# KiCad board WS2812B LED Ring7.kicad_pcb (continued)
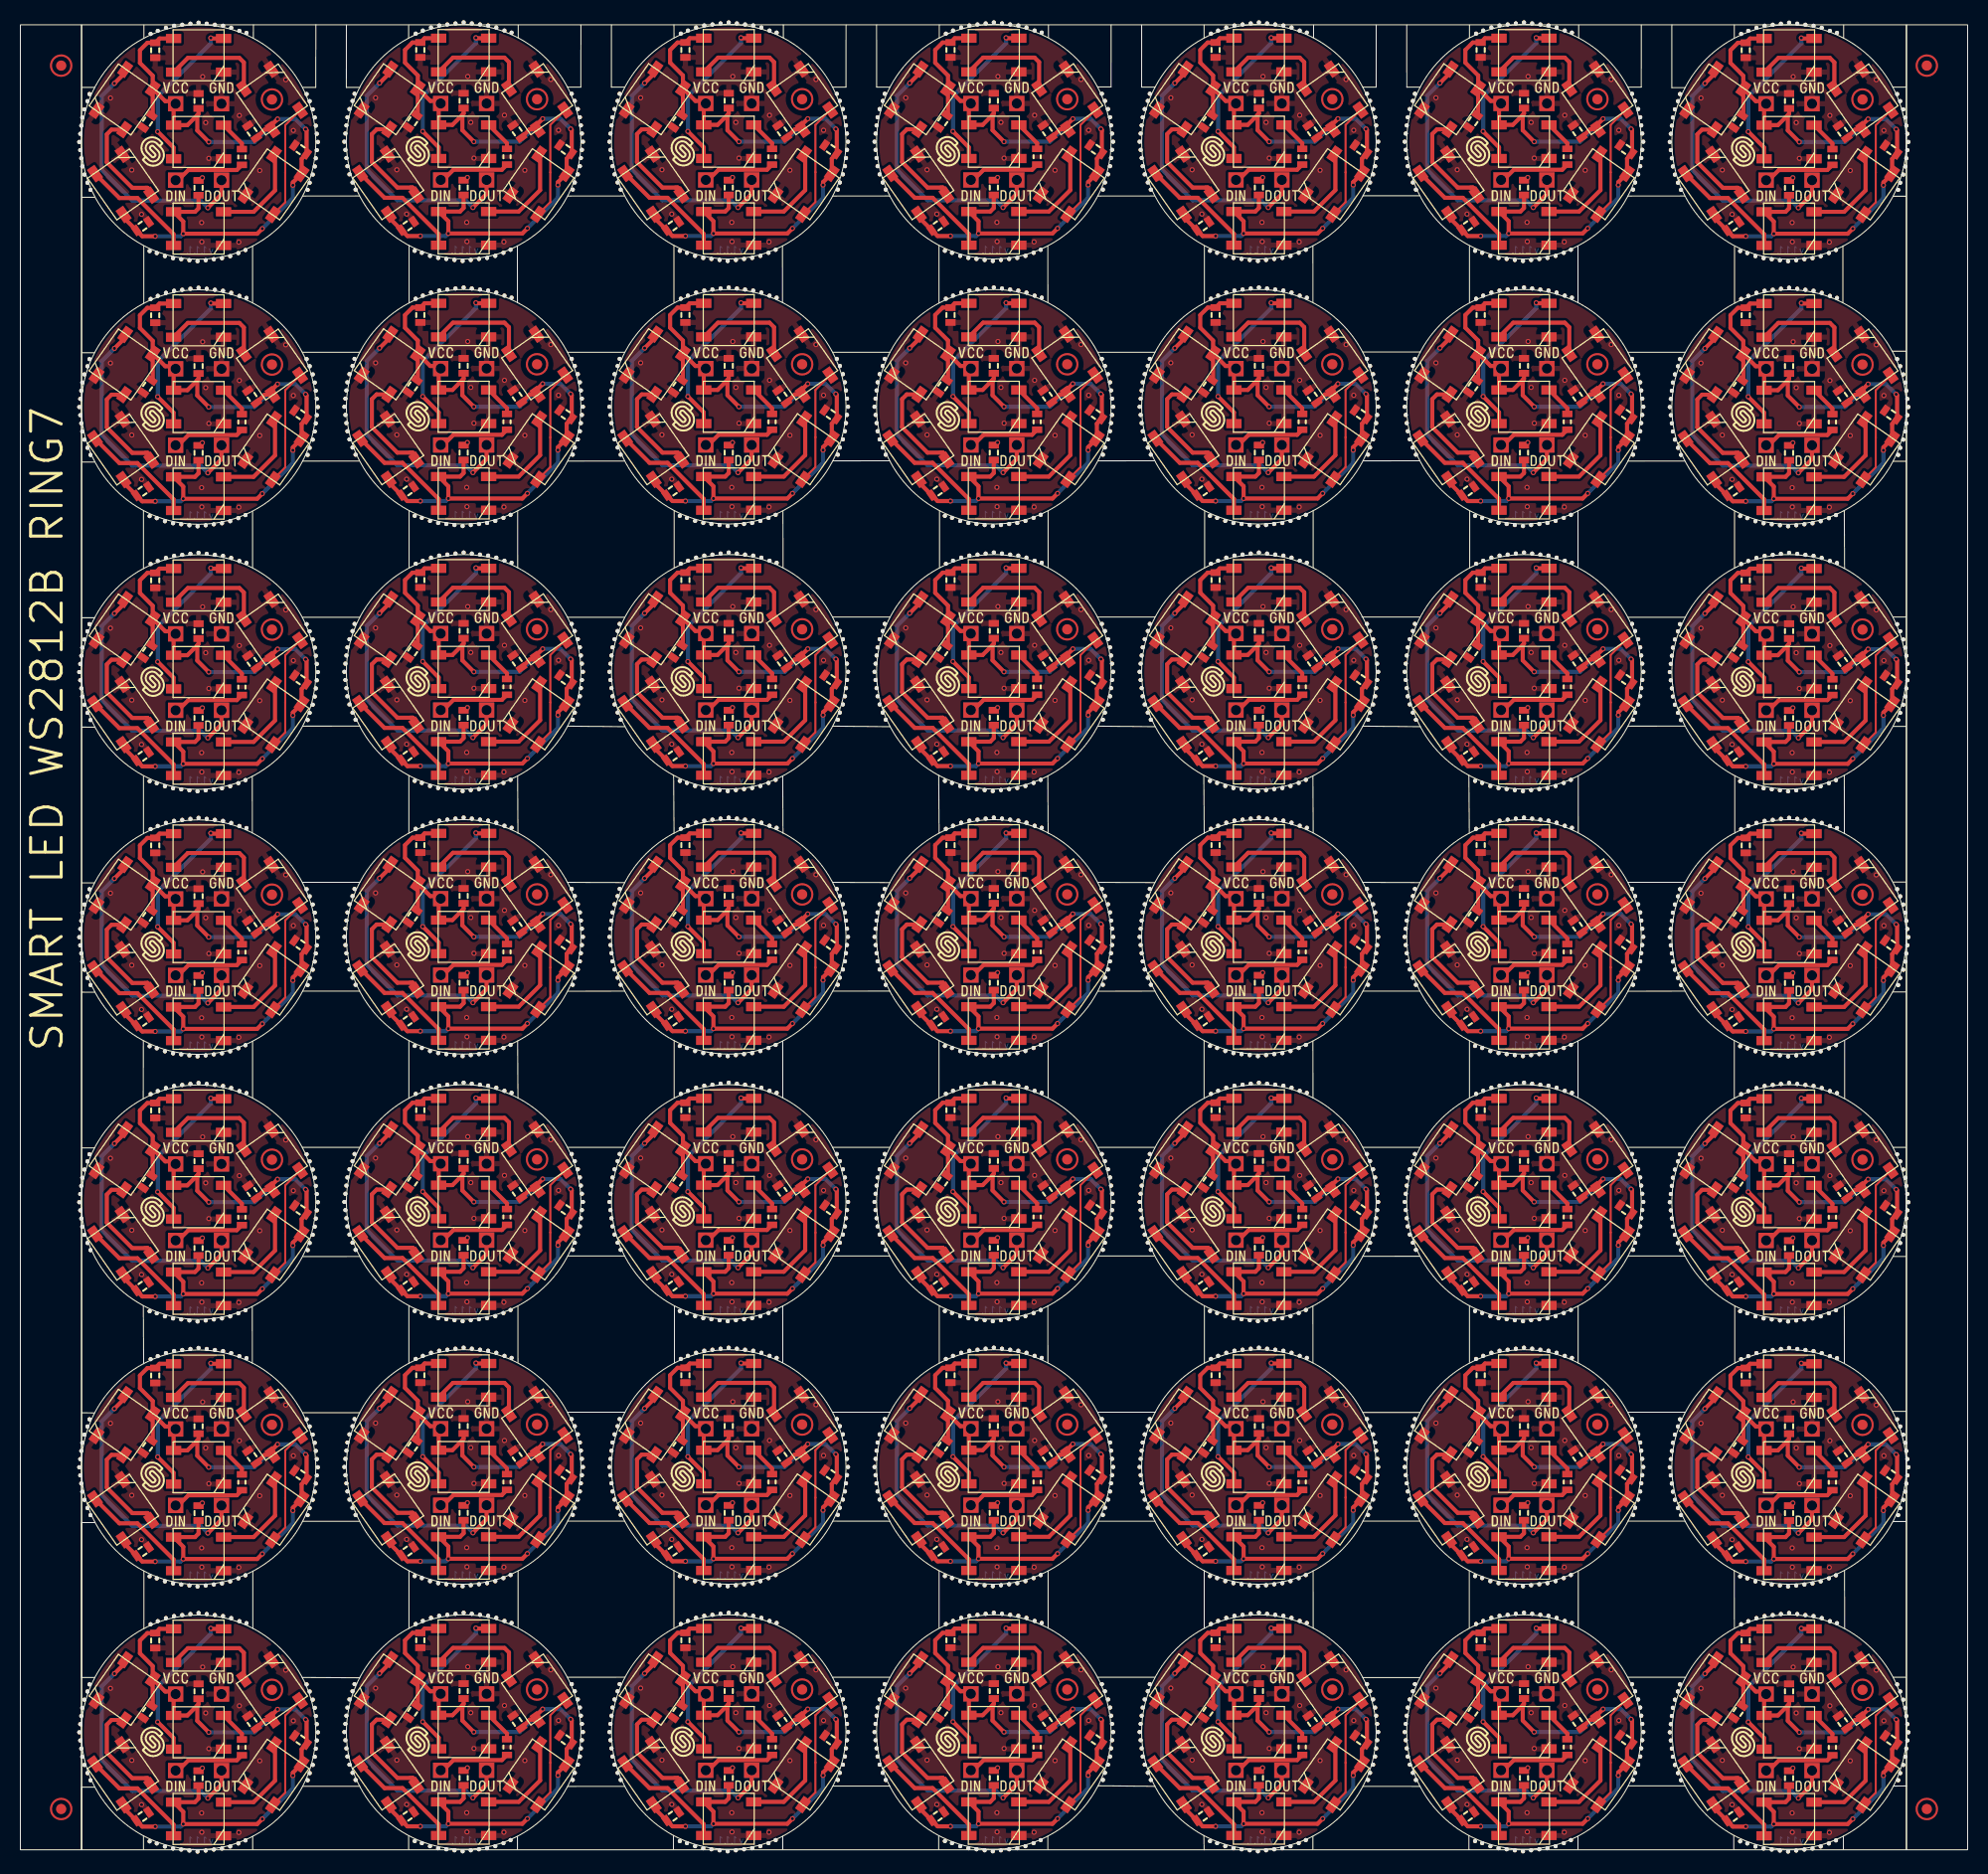
[diagram p0: board, top side]
## Routing (per net, layer and track width the routed paths; a pad name or vN(x,y) marks a point on that pad's centre or on a via; arc(x,y) is an arc through that point) (continued)
VCC: length 3402.1
  Top w0.4: v1(179.72,81.03) 179.22,80.53 v1(171.97,80.53) 171.97,81.73 LED5#17.1 173.12,82.69 173.47,83.03 C5#12.1 ; 95.35,144.19 95.47,144.31 C1#2.1 ; 95.35,144.19 94.38,143.21 LED1#44.1 93.03,145.36 93.22,145.56 92.21,145.56 LED7#15.1 ; 95.35,144.19 95.35,142.69 v1(96.47,141.56) ; v1(117.22,28.31) 115.96,28.31 C6#41.1 114.13,30.14 LED6#21.1 ; 121.35,118.19 121.35,116.69 v1(122.47,115.56) ; 121.35,118.19 120.38,117.21 LED1#22.1 119.03,119.36 119.22,119.56 118.21,119.56 LED7#41.1 ; 121.35,118.19 121.47,118.31 C1#7.1 ; v1(77.22,39.81) 76.73,39.31 LED3#24.1 75.96,38.77 C3#18.1 ; LED7#35.1 40.21,119.56 41.22,119.56 41.03,119.36 LED1#16.1 42.38,117.21 43.35,118.19 ; LED7#35.1 38.98,122.05 37.72,123.31 37.72,124.56 38.45,125.29 C2#27.1 39.64,125.71 LED2#5.1 ; LED7#35.1 38.98,118.25 C7#4.1 ; v1(155.22,143.81) 154.73,143.31 LED3#22.1 153.96,142.77 C3#23.1 ; LED7#42.1 118.21,145.56 119.22,145.56 119.03,145.36 LED1#25.1 120.38,143.21 121.35,144.19 ; LED7#42.1 116.98,148.05 115.72,149.31 115.72,150.56 116.46,151.29 C2#36.1 117.65,151.71 LED2#26.1 ; LED7#42.1 116.98,144.25 C7#31.1 ; v1(179.72,133.03) 179.22,132.53 v1(171.97,132.53) 171.97,133.73 LED5#5.1 173.12,134.69 173.47,135.03 C5#36.1 ; 69.35,170.19 69.35,168.69 v1(70.47,167.56) ; 69.35,170.19 68.38,169.21 LED1#47.1 67.03,171.36 67.22,171.56 66.21,171.56 LED7#8.1 ; 69.35,170.19 69.47,170.31 C1#49.1 ; v1(49.72,107.06) 49.22,106.56 v1(41.97,106.56) 41.97,107.76 LED5#40.1 43.12,108.71 43.47,109.06 C5#6.1 ; 95.35,40.19 95.47,40.31 C1#39.1 ; 95.35,40.19 95.35,38.69 v1(96.47,37.56) ; 95.35,40.19 94.38,39.21 LED1#6.1 93.03,41.36 93.22,41.56 92.21,41.56 LED7#21.1 ; LED2#48.1 91.65,99.71 C2#12.1 90.46,99.29 89.72,98.56 89.72,97.31 90.98,96.05 LED7#18.1 ; LED7#19.1 66.21,67.56 67.22,67.56 67.03,67.36 LED1#49.1 68.38,65.21 69.35,66.19 ; LED7#19.1 64.98,70.05 63.72,71.31 63.72,72.56 64.46,73.29 C2#7.1 65.65,73.71 LED2#46.1 ; LED7#19.1 64.98,66.25 C7#24.1 ; C7#6.1 168.98,40.22 LED7#39.1 ; 95.35,118.19 95.35,116.69 v1(96.47,115.56) ; 95.35,118.19 94.38,117.21 LED1#4.1 93.03,119.36 93.22,119.56 92.21,119.56 LED7#5.1 ; 95.35,118.19 95.47,118.31 C1#44.1 ; C1#41.1 17.47,14.28 17.35,14.16 ; C3#34.1 23.96,168.75 LED3#42.1 24.73,169.29 v1(25.22,169.78) ; v1(174.47,115.53) 173.35,116.66 173.35,118.16 ; LED2#17.1 65.65,99.71 C2#44.1 64.46,99.29 63.72,98.56 63.72,97.31 64.98,96.05 LED7#6.1 ; LED7#10.1 144.21,15.56 145.22,15.56 145.03,15.36 LED1#37.1 146.38,13.21 147.35,14.19 ; LED7#10.1 142.98,14.25 C7#19.1 ; LED7#10.1 142.98,18.05 141.72,19.31 141.72,20.56 142.46,21.29 C2#20.1 143.65,21.71 LED2#37.1 ; v1(130.72,7.31) 130.72,7.6 LED4#16.1 131.58,9.9 C4#27.1 132.07,12.71 v1(131.97,12.81) ; v1(143.22,106.31) 141.96,106.31 C6#28.1 140.13,108.14 LED6#5.1 ; 173.35,118.16 173.47,118.28 C1#13.1 ; 173.35,118.16 172.38,117.19 LED1#48.1 171.03,119.33 171.22,119.53 170.21,119.53 LED7#11.1 ; 173.35,40.16 173.35,38.66 v1(174.47,37.53) ; 173.35,40.16 173.47,40.28 C1#42.1 ; 173.35,40.16 172.38,39.19 LED1#10.1 171.03,41.33 171.22,41.53 170.21,41.53 LED7#39.1 ; v1(181.22,91.78) 180.73,91.29 LED3#11.1 179.96,90.75 C3#48.1 ; C5#35.1 69.47,109.06 69.12,108.71 LED5#22.1 67.97,107.76 v1(67.97,106.56) 75.22,106.56 v1(75.72,107.06) ; LED7#44.1 14.21,171.53 15.22,171.53 15.03,171.33 LED1#24.1 16.38,169.19 17.35,170.16 ; LED7#44.1 12.98,170.22 C7#30.1 ; LED7#44.1 12.98,174.03 11.72,175.28 11.72,176.53 12.45,177.26 C2#9.1 13.64,177.69 LED2#2.1 ; LED2#44.1 13.64,125.69 C2#46.1 12.45,125.26 11.72,124.53 11.72,123.28 12.98,122.03 LED7#3.1 ; LED7#24.1 116.98,44.05 115.72,45.31 115.72,46.56 116.46,47.29 C2#22.1 117.65,47.71 LED2#13.1 ; LED7#24.1 116.98,40.25 C7#20.1 ; LED7#24.1 118.21,41.56 119.22,41.56 119.03,41.36 LED1#2.1 120.38,39.21 121.35,40.19 ; 17.35,118.16 17.47,118.28 C1#5.1 ; 17.35,118.16 16.38,117.19 LED1#27.1 15.03,119.33 15.22,119.53 14.21,119.53 LED7#3.1 ; 17.35,118.16 17.35,116.66 v1(18.47,115.53) ; v1(13.22,132.28) 11.96,132.28 C6#19.1 10.13,134.11 LED6#44.1 ; C3#40.1 49.96,38.77 LED3#15.1 50.73,39.31 v1(51.22,39.81) ; v1(148.47,141.56) 147.35,142.69 147.35,144.19 ; 173.35,66.16 173.47,66.28 C1#30.1 ; 173.35,66.16 172.38,65.19 LED1#17.1 171.03,67.33 171.22,67.53 170.21,67.53 LED7#7.1 ; 173.35,66.16 173.35,64.66 v1(174.47,63.53) ; C1#26.1 69.47,92.31 69.35,92.19 ; v1(39.22,28.31) 37.96,28.31 C6#26.1 36.13,30.14 LED6#2.1 ; v1(117.22,80.31) 115.96,80.31 C6#7.1 114.13,82.14 LED6#16.1 ; C7#34.1 90.98,92.25 LED7#18.1 ; LED6#19.1 140.13,160.14 C6#15.1 141.96,158.31 v1(143.22,158.31) ; C7#32.1 64.98,118.25 LED7#30.1 ; LED7#46.1 144.21,41.56 145.22,41.56 145.03,41.36 LED1#46.1 146.38,39.21 147.35,40.19 ; LED7#46.1 142.98,40.25 C7#18.1 ; LED7#46.1 142.98,44.05 141.72,45.31 141.72,46.56 142.46,47.29 C2#33.1 143.65,47.71 LED2#40.1 ; 69.35,92.19 69.35,90.69 v1(70.47,89.56) ; 69.35,92.19 68.38,91.21 LED1#7.1 67.03,93.36 67.22,93.56 66.21,93.56 LED7#6.1 ; LED2#15.1 39.64,73.71 C2#17.1 38.45,73.29 37.72,72.56 37.72,71.31 38.98,70.05 LED7.1 ; v1(143.22,54.31) 141.96,54.31 C6#35.1 140.13,56.14 LED6#24.1 ; C7#10.1 64.98,170.25 LED7#8.1 ; LED2#14.1 91.65,151.71 C2#29.1 90.46,151.29 89.72,150.56 89.72,149.31 90.98,148.05 LED7#15.1 ; LED6#15.1 114.13,4.14 C6#3.1 115.96,2.31 v1(117.22,2.31) ; LED7#7.1 168.98,66.22 C7#12.1 ; LED7#7.1 168.98,70.03 167.72,71.28 167.72,72.53 168.46,73.26 C2#45.1 169.65,73.69 LED2#16.1 ; C1#36.1 17.47,66.28 17.35,66.16 ; v1(18.47,63.53) 17.35,64.66 17.35,66.16 ; LED7#48.1 66.21,15.56 67.22,15.56 67.03,15.36 LED1.1 68.38,13.21 69.35,14.19 ; LED7#48.1 64.98,18.05 63.72,19.31 63.72,20.56 64.46,21.29 C2#2.1 65.65,21.71 LED2#23.1 ; LED7#48.1 64.98,14.25 C7#41.1 ; v1(156.72,111.31) 156.72,111.6 LED4#20.1 157.58,113.9 C4#11.1 158.07,116.71 v1(157.97,116.81) ; LED2#49.1 91.65,21.71 C2#25.1 90.46,21.29 89.72,20.56 89.72,19.31 90.98,18.05 LED7#17.1 ; v1(75.72,3.06) 75.22,2.56 v1(67.97,2.56) 67.97,3.76 LED5#11.1 69.12,4.71 69.47,5.06 C5#3.1 ; v1(105.97,12.81) 106.07,12.71 C4#33.1 105.58,9.9 LED4#36.1 104.72,7.6 v1(104.72,7.31) ; v1(44.47,37.56) 43.35,38.69 43.35,40.19 ; v1(39.22,132.31) 37.96,132.31 C6#49.1 36.13,134.14 LED6#36.1 ; 43.35,144.19 43.47,144.31 C1#32.1 ; 43.35,144.19 43.35,142.69 v1(44.47,141.56) ; 43.35,144.19 42.38,143.21 LED1#34.1 41.03,145.36 41.22,145.56 40.21,145.56 LED7#37.1 ; C7#11.1 12.98,92.22 LED7#20.1 ; C3#21.1 101.96,12.77 LED3#46.1 102.73,13.31 v1(103.22,13.81) ; C1#3.1 43.47,66.31 43.35,66.19 ; v1(153.72,55.06) 153.22,54.56 v1(145.97,54.56) 145.97,55.76 LED5#4.1 147.12,56.71 147.47,57.06 C5#20.1 ; v1(27.97,168.78) 28.07,168.69 C4#41.1 27.58,165.88 LED4#48.1 26.72,163.57 v1(26.72,163.28) ; C3#2.1 127.96,90.77 LED3#44.1 128.73,91.31 v1(129.22,91.81) ; C7#48.1 168.98,144.22 LED7#14.1 ; LED6#29.1 166.13,82.11 C6#40.1 167.96,80.28 v1(169.22,80.28) ; 147.35,40.19 147.35,38.69 v1(148.47,37.56) ; 147.35,40.19 147.47,40.31 C1#43.1 ; v1(51.22,13.81) 50.73,13.31 LED3#30.1 49.96,12.77 C3#8.1 ; C5#9.1 95.47,31.06 95.12,30.71 LED5#28.1 93.97,29.76 v1(93.97,28.56) 101.22,28.56 v1(101.72,29.06) ; v1(13.22,2.28) 11.96,2.28 C6#11.1 10.13,4.11 LED6#43.1 ; LED7#8.1 64.98,174.05 63.72,175.31 63.72,176.56 64.46,177.29 C2#5.1 65.65,177.71 LED2#9.1 ; LED2#19.1 143.65,177.71 C2#43.1 142.46,177.29 141.72,176.56 141.72,175.31 142.98,174.05 LED7#49.1 ; LED2#31.1 143.65,73.71 C2#37.1 142.46,73.29 141.72,72.56 141.72,71.31 142.98,70.05 LED7#32.1 ; LED7#22.1 14.21,145.53 15.22,145.53 15.03,145.33 LED1#20.1 16.38,143.19 17.35,144.16 ; LED7#22.1 12.98,148.03 11.72,149.28 11.72,150.53 12.45,151.26 C2#16.1 13.64,151.69 LED2#41.1 ; LED7#22.1 12.98,144.22 C7#28.1 ; LED7#15.1 90.98,144.25 C7#44.1 ; LED6#42.1 140.13,30.14 C6#22.1 141.96,28.31 v1(143.22,28.31) ; LED2#36.1 117.65,21.71 C2#47.1 116.46,21.29 115.72,20.56 115.72,19.31 116.98,18.05 LED7#23.1 ; C7#22.1 38.98,92.25 LED7#16.1 ; C3#9.1 49.96,90.77 LED3#8.1 50.73,91.31 v1(51.22,91.81) ; LED7#45.1 38.98,18.05 37.72,19.31 37.72,20.56 38.45,21.29 C2#48.1 39.64,21.71 LED2.1 ; LED7#45.1 38.98,14.25 C7#5.1 ; LED7#45.1 40.21,15.56 41.22,15.56 41.03,15.36 LED1#40.1 42.38,13.21 43.35,14.19 ; 69.35,40.19 69.47,40.31 C1#40.1 ; 69.35,40.19 68.38,39.21 LED1#26.1 67.03,41.36 67.22,41.56 66.21,41.56 LED7#29.1 ; 69.35,40.19 69.35,38.69 v1(70.47,37.56) ; v1(122.47,167.56) 121.35,168.69 121.35,170.19 ; v1(127.72,3.06) 127.22,2.56 v1(119.97,2.56) 119.97,3.76 LED5#46.1 121.12,4.71 121.47,5.06 C5#34.1 ; 121.35,170.19 121.47,170.31 C1#14.1 ; 121.35,170.19 120.38,169.21 LED1#23.1 119.03,171.36 119.22,171.56 118.21,171.56 LED7#33.1 ; v1(129.22,13.81) 128.73,13.31 LED3#26.1 127.96,12.77 C3#19.1 ; 95.35,66.19 95.35,64.69 v1(96.47,63.56) ; 95.35,66.19 95.47,66.31 C1#47.1 ; 95.35,66.19 94.38,65.21 LED1#15.1 93.03,67.36 93.22,67.56 92.21,67.56 LED7#43.1 ; C3#26.1 101.96,168.77 LED3#28.1 102.73,169.31 v1(103.22,169.81) ; v1(77.22,65.81) 76.73,65.31 LED3#6.1 75.96,64.77 C3#30.1 ; LED7#3.1 12.98,118.22 C7#36.1 ; LED2#42.1 39.64,99.71 C2#13.1 38.45,99.29 37.72,98.56 37.72,97.31 38.98,96.05 LED7#16.1 ; v1(78.72,85.31) 78.72,85.6 LED4#41.1 79.58,87.9 C4#24.1 80.07,90.71 v1(79.97,90.81) ; 121.35,66.19 121.47,66.31 C1#6.1 ; 121.35,66.19 121.35,64.69 v1(122.47,63.56) ; 121.35,66.19 120.38,65.21 LED1#19.1 119.03,67.36 119.22,67.56 118.21,67.56 LED7#28.1 ; C3#24.1 127.96,168.77 LED3#48.1 128.73,169.31 v1(129.22,169.81) ; 147.35,170.19 147.35,168.69 v1(148.47,167.56) ; 147.35,170.19 146.38,169.21 LED1#3.1 145.03,171.36 145.22,171.56 144.21,171.56 LED7#49.1 ; 147.35,170.19 147.47,170.31 C1#28.1 ; LED6#6.1 88.13,30.14 C6#12.1 89.96,28.31 v1(91.22,28.31) ; C1#11.1 147.47,144.31 147.35,144.19 ; v1(129.22,117.81) 128.73,117.31 LED3#14.1 127.96,116.77 C3#39.1 ; LED7#28.1 116.98,66.25 C7#26.1 ; LED7#28.1 116.98,70.05 115.72,71.31 115.72,72.56 116.46,73.29 C2#14.1 117.65,73.71 LED2#35.1 ; C5#11.1 69.47,83.06 69.12,82.71 LED5#3.1 67.97,81.76 v1(67.97,80.56) 75.22,80.56 v1(75.72,81.06) ; v1(70.47,11.56) 69.35,12.69 69.35,14.19 ; C5#14.1 173.47,5.03 173.12,4.69 171.03,4.69 171.97,3.74 v1(171.97,2.53) 179.22,2.53 v1(179.72,3.03) ; LED7#32.1 144.21,67.56 145.22,67.56 145.03,67.36 LED1#11.1 146.38,65.21 147.35,66.19 ; LED7#32.1 142.98,66.25 C7#15.1 ; v1(122.47,11.56) 121.35,12.69 121.35,14.19 ; v1(70.47,115.56) 69.35,116.69 69.35,118.19 ; v1(129.22,39.81) 128.73,39.31 LED3#39.1 127.96,38.77 C3#5.1 ; LED7#47.1 116.98,92.25 C7#23.1 ; LED7#47.1 118.21,93.56 119.22,93.56 119.03,93.36 LED1#5.1 120.38,91.21 121.35,92.19 ; LED7#47.1 116.98,96.05 115.72,97.31 115.72,98.56 116.46,99.29 C2#21.1 117.65,99.71 LED2#47.1 ; C5#24.1 17.47,135.03 17.12,134.69 LED5#12.1 15.97,133.73 v1(15.97,132.53) 23.22,132.53 v1(23.72,133.03) ; C1#10.1 43.47,40.31 43.35,40.19 ; v1(117.22,132.31) 115.96,132.31 C6#46.1 114.13,134.14 LED6#13.1 ; C1#9.1 121.47,40.31 121.35,40.19 ; v1(127.72,29.06) 127.22,28.56 v1(119.97,28.56) 119.97,29.76 LED5#16.1 121.12,30.71 121.47,31.06 C5.1 ; v1(130.72,163.31) 130.72,163.6 LED4#11.1 131.58,165.9 C4#18.1 132.07,168.71 v1(131.97,168.81) ; 147.35,14.19 147.35,12.69 v1(148.47,11.56) ; 147.35,14.19 147.47,14.31 C1#16.1 ; C3#4.1 179.96,116.75 LED3#25.1 180.73,117.29 v1(181.22,117.78) ; v1(79.97,12.81) 80.07,12.71 C4#2.1 79.58,9.9 LED4#17.1 78.72,7.6 v1(78.72,7.31) ; v1(130.72,59.31) 130.72,59.6 LED4#24.1 131.58,61.9 C4#17.1 132.07,64.71 v1(131.97,64.81) ; v1(65.22,28.31) 63.96,28.31 C6#18.1 62.13,30.14 LED6#20.1 ; 121.35,92.19 121.47,92.31 C1#45.1 ; 121.35,92.19 121.35,90.69 v1(122.47,89.56) ; LED7#4.1 168.98,170.22 C7#45.1 ; LED7#4.1 170.21,171.53 171.22,171.53 171.03,171.33 LED1#14.1 172.38,169.19 173.35,170.16 ; LED7#4.1 168.98,174.03 167.72,175.28 167.72,176.53 168.46,177.26 C2.1 169.65,177.69 LED2#43.1 ; v1(153.72,133.06) 153.22,132.56 v1(145.97,132.56) 145.97,133.76 LED5#34.1 147.12,134.71 147.47,135.06 C5#30.1 ; C5#31.1 17.47,83.03 17.12,82.69 LED5#24.1 15.97,81.73 v1(15.97,80.53) 23.22,80.53 v1(23.72,81.03) ; v1(65.22,106.31) 63.96,106.31 C6#21.1 62.13,108.14 LED6#27.1 ; v1(26.72,33.28) 26.72,33.57 LED4#3.1 27.58,35.88 C4#32.1 28.07,38.69 v1(27.97,38.78) ; LED7#40.1 38.98,40.25 C7#14.1 ; LED7#40.1 38.98,44.05 37.72,45.31 37.72,46.56 38.45,47.29 C2#40.1 39.64,47.71 LED2#8.1 ; LED7#40.1 40.21,41.56 41.22,41.56 41.03,41.36 LED1#39.1 42.38,39.21 43.35,40.19 ; LED7#13.1 142.98,122.05 141.72,123.31 141.72,124.56 142.46,125.29 C2#3.1 143.65,125.71 LED2#24.1 ; LED7#13.1 144.21,119.56 145.22,119.56 145.03,119.36 LED1#35.1 146.38,117.21 147.35,118.19 ; LED7#13.1 142.98,118.25 C7#47.1 ; C5#4.1 173.47,109.03 173.12,108.69 LED5#38.1 171.97,107.73 v1(171.97,106.53) 179.22,106.53 v1(179.72,107.03) ; v1(53.97,142.81) 54.07,142.71 C4#19.1 53.58,139.9 LED4#42.1 52.72,137.6 v1(52.72,137.31) ; LED6#7.1 88.13,108.14 C6#27.1 89.96,106.31 v1(91.22,106.31) ; v1(53.97,116.81) 54.07,116.71 C4#42.1 53.58,113.9 LED4#46.1 52.72,111.6 v1(52.72,111.31) ; LED2#45.1 91.65,47.71 C2#4.1 90.46,47.29 89.72,46.56 89.72,45.31 90.98,44.05 LED7#21.1 ; v1(18.47,141.53) 17.35,142.66 17.35,144.16 ; LED7#33.1 116.98,170.25 C7#25.1 ; LED7#33.1 116.98,174.05 115.72,175.31 115.72,176.56 116.46,177.29 C2#38.1 117.65,177.71 LED2#3.1 ; LED7#26.1 142.98,148.05 141.72,149.31 141.72,150.56 142.46,151.29 C2#26.1 143.65,151.71 LED2#6.1 ; LED7#26.1 142.98,144.25 C7#43.1 ; LED7#26.1 144.21,145.56 145.22,145.56 145.03,145.36 LED1#30.1 146.38,143.21 147.35,144.19 ; C1#8.1 95.47,14.31 95.35,14.19 ; C5#22.1 95.47,135.06 95.12,134.71 LED5#19.1 93.97,133.76 v1(93.97,132.56) 101.22,132.56 v1(101.72,133.06) ; v1(101.72,55.06) 101.22,54.56 v1(93.97,54.56) 93.97,55.76 LED5#48.1 95.12,56.71 95.47,57.06 C5#5.1 ; v1(174.47,141.53) 173.35,142.66 173.35,144.16 ; v1(148.47,89.56) 147.35,90.69 147.35,92.19 ; v1(75.72,159.06) 75.22,158.56 v1(67.97,158.56) 67.97,159.76 LED5#41.1 69.12,160.71 69.47,161.06 C5#43.1 ; LED6#46.1 62.13,134.14 C6#20.1 63.96,132.31 v1(65.22,132.31) ; v1(53.97,64.81) 54.07,64.71 C4#43.1 53.58,61.9 LED4#25.1 52.72,59.6 v1(52.72,59.31) ; v1(65.22,158.31) 63.96,158.31 C6#32.1 62.13,160.14 LED6#45.1 ; 17.35,170.16 17.35,168.66 v1(18.47,167.53) ; 17.35,170.16 17.47,170.28 C1#12.1 ; LED6#41.1 36.13,108.14 C6#30.1 37.96,106.31 v1(39.22,106.31) ; v1(91.22,54.31) 89.96,54.31 C6#38.1 88.13,56.14 LED6.1 ; LED6#28.1 166.13,30.11 C6#14.1 167.96,28.28 v1(169.22,28.28) ; 69.35,66.19 69.47,66.31 C1#4.1 ; 69.35,66.19 69.35,64.69 v1(70.47,63.56) ; 17.35,14.16 16.38,13.19 LED1#38.1 15.03,15.33 15.22,15.53 14.21,15.53 LED7#2.1 ; 17.35,14.16 17.35,12.66 v1(18.47,11.53) ; LED7#21.1 90.98,40.25 C7#49.1 ; 17.35,40.16 17.47,40.28 C1#19.1 ; 17.35,40.16 17.35,38.66 v1(18.47,37.53) ; 17.35,40.16 16.38,39.19 LED1#42.1 15.03,41.33 15.22,41.53 14.21,41.53 LED7#34.1 ; LED2#20.1 65.65,125.71 C2#8.1 64.46,125.29 63.72,124.56 63.72,123.31 64.98,122.05 LED7#30.1 ; v1(77.22,117.81) 76.73,117.31 LED3#27.1 75.96,116.77 C3#45.1 ; v1(156.72,137.31) 156.72,137.6 LED4#37.1 157.58,139.9 C4#9.1 158.07,142.71 v1(157.97,142.81) ; v1(105.97,38.81) 106.07,38.71 C4#31.1 105.58,35.9 LED4#12.1 104.72,33.6 v1(104.72,33.31) ; C3#36.1 127.96,64.77 LED3#45.1 128.73,65.31 v1(129.22,65.81) ; C3#41.1 23.96,142.75 LED3#12.1 24.73,143.29 v1(25.22,143.78) ; 43.35,92.19 43.35,90.69 v1(44.47,89.56) ; 43.35,92.19 42.38,91.21 LED1#18.1 41.03,93.36 41.22,93.56 40.21,93.56 LED7#16.1 ; 43.35,92.19 43.47,92.31 C1#17.1 ; v1(49.72,29.06) 49.22,28.56 v1(41.97,28.56) 41.97,29.76 LED5#31.1 43.12,30.71 43.47,31.06 C5#39.1 ; C7#40.1 142.98,92.25 LED7#31.1 ; C5#28.1 173.47,57.03 173.12,56.69 LED5#29.1 171.97,55.73 v1(171.97,54.53) 179.22,54.53 v1(179.72,55.03) ; 95.35,170.19 95.47,170.31 C1#31.1 ; 95.35,170.19 94.38,169.21 LED1#8.1 93.03,171.36 93.22,171.56 92.21,171.56 LED7#12.1 ; 95.35,170.19 95.35,168.69 v1(96.47,167.56) ; LED7#29.1 64.98,40.25 C7.1 ; LED7#29.1 64.98,44.05 63.72,45.31 63.72,46.56 64.46,47.29 C2#30.1 65.65,47.71 LED2#12.1 ; LED6#39.1 88.13,134.14 C6.1 89.96,132.31 v1(91.22,132.31) ; v1(26.72,59.28) 26.72,59.57 LED4#26.1 27.58,61.88 C4#30.1 28.07,64.69 v1(27.97,64.78) ; C7#42.1 168.98,118.22 LED7#11.1 ; 43.35,14.19 43.35,12.69 v1(44.47,11.56) ; 43.35,14.19 43.47,14.31 C1#46.1 ; LED7#17.1 90.98,14.25 C7#8.1 ; LED7#17.1 92.21,15.56 93.22,15.56 93.03,15.36 LED1#36.1 94.38,13.21 95.35,14.19 ; 95.35,92.19 95.47,92.31 C1#29.1 ; 95.35,92.19 94.38,91.21 LED1#13.1 93.03,93.36 93.22,93.56 92.21,93.56 LED7#18.1 ; 95.35,92.19 95.35,90.69 v1(96.47,89.56) ; LED2#28.1 65.65,151.71 C2#18.1 64.46,151.29 63.72,150.56 63.72,149.31 64.98,148.05 LED7#38.1 ; 147.35,92.19 146.38,91.21 LED1#33.1 145.03,93.36 145.22,93.56 144.21,93.56 LED7#31.1 ; 147.35,92.19 147.47,92.31 C1#35.1 ; LED6#48.1 36.13,160.14 C6#37.1 37.96,158.31 v1(39.22,158.31) ; v1(155.22,91.81) 154.73,91.31 LED3#35.1 153.96,90.77 C3.1 ; LED7#31.1 142.98,96.05 141.72,97.31 141.72,98.56 142.46,99.29 C2#35.1 143.65,99.71 LED2#34.1 ; LED7#43.1 90.98,66.25 C7#35.1 ; LED7#43.1 90.98,70.05 89.72,71.31 89.72,72.56 90.46,73.29 C2#23.1 91.65,73.71 LED2#39.1 ; v1(104.72,137.31) 104.72,137.6 LED4#31.1 105.58,139.9 C4#22.1 106.07,142.71 v1(105.97,142.81) ; C7#46.1 90.98,170.25 LED7#12.1 ; C3#10.1 153.96,64.77 LED3.1 154.73,65.31 v1(155.22,65.81) ; v1(117.22,158.31) 115.96,158.31 C6#33.1 114.13,160.14 LED6#17.1 ; LED6#14.1 166.13,108.11 C6#16.1 167.96,106.28 v1(169.22,106.28) ; v1(49.72,159.06) 49.22,158.56 v1(41.97,158.56) 41.97,159.76 LED5#30.1 43.12,160.71 43.47,161.06 C5#41.1 ; C3#7.1 101.96,116.77 LED3#23.1 102.73,117.31 v1(103.22,117.81) ; v1(51.22,143.81) 50.73,143.31 LED3#38.1 49.96,142.77 C3#20.1 ; LED7#5.1 90.98,118.25 C7#17.1 ; LED7#5.1 90.98,122.05 89.72,123.31 89.72,124.56 90.46,125.29 C2#39.1 91.65,125.71 LED2#22.1 ; v1(53.97,38.81) 54.07,38.71 C4#40.1 53.58,35.9 LED4#29.1 52.72,33.6 v1(52.72,33.31) ; 43.35,66.19 43.35,64.69 v1(44.47,63.56) ; 43.35,66.19 42.38,65.21 LED1#32.1 41.03,67.36 41.22,67.56 40.21,67.56 LED7.1 ; v1(129.22,143.81) 128.73,143.31 LED3#7.1 127.96,142.77 C3#11.1 ; 173.35,92.16 173.47,92.28 C1#38.1 ; 173.35,92.16 172.38,91.19 LED1#43.1 171.03,93.33 171.22,93.53 170.21,93.53 LED7#27.1 ; 173.35,92.16 173.35,90.66 v1(174.47,89.53) ; LED6#18.1 166.13,160.11 C6#44.1 167.96,158.28 v1(169.22,158.28) ; LED7#38.1 64.98,144.25 C7#27.1 ; LED7#38.1 66.21,145.56 67.22,145.56 67.03,145.36 LED1#9.1 68.38,143.21 69.35,144.19 ; v1(78.72,137.31) 78.72,137.6 LED4#6.1 79.58,139.9 C4#20.1 80.07,142.71 v1(79.97,142.81) ; 173.35,144.16 173.47,144.28 C1#48.1 ; 173.35,144.16 172.38,143.19 LED1#31.1 171.03,145.33 171.22,145.53 170.21,145.53 LED7#14.1 ; LED7#41.1 116.98,122.05 115.72,123.31 115.72,124.56 116.46,125.29 C2#31.1 117.65,125.71 LED2#21.1 ; LED7#41.1 116.98,118.25 C7#9.1 ; C7#21.1 38.98,144.25 LED7#37.1 ; v1(77.22,169.81) 76.73,169.31 LED3#16.1 75.96,168.77 C3#28.1 ; LED2#38.1 169.65,21.69 C2#34.1 168.46,21.26 167.72,20.53 167.72,19.28 168.98,18.03 LED7#36.1 ; v1(117.22,54.31) 115.96,54.31 C6#48.1 114.13,56.14 LED6#11.1 ; v1(182.72,111.28) 182.72,111.57 LED4#35.1 183.58,113.88 C4#29.1 184.07,116.69 v1(183.97,116.78) ; LED7#49.1 142.98,170.25 C7#2.1 ; v1(13.22,158.28) 11.96,158.28 C6#43.1 10.13,160.11 LED6#8.1 ; C3#17.1 49.96,168.77 LED3#29.1 50.73,169.31 v1(51.22,169.81) ; v1(104.72,85.31) 104.72,85.6 LED4#27.1 105.58,87.9 C4#35.1 106.07,90.71 v1(105.97,90.81) ; v1(96.47,11.56) 95.35,12.69 95.35,14.19 ; C5#23.1 95.47,161.06 95.12,160.71 LED5#2.1 93.97,159.76 v1(93.97,158.56) 101.22,158.56 v1(101.72,159.06) ; v1(25.22,91.78) 24.73,91.29 LED3#13.1 23.96,90.75 C3#3.1 ; v1(78.72,33.31) 78.72,33.6 LED4#10.1 79.58,35.9 C4#12.1 80.07,38.71 v1(79.97,38.81) ; LED7#12.1 90.98,174.05 89.72,175.31 89.72,176.56 90.46,177.29 C2#42.1 91.65,177.71 LED2#10.1 ; 17.35,66.16 16.38,65.19 LED1#12.1 15.03,67.33 15.22,67.53 14.21,67.53 LED7#9.1 ; 147.35,66.19 147.35,64.69 v1(148.47,63.56) ; 147.35,66.19 147.47,66.31 C1#25.1 ; C1#18.1 69.47,14.31 69.35,14.19 ; v1(182.72,33.28) 182.72,33.57 LED4#21.1 183.58,35.88 C4#16.1 184.07,38.69 v1(183.97,38.78) ; C5#21.1 147.47,31.06 147.12,30.71 LED5#32.1 145.97,29.76 v1(145.97,28.56) 153.22,28.56 v1(153.72,29.06) ; v1(27.97,90.78) 28.07,90.69 C4#4.1 27.58,87.88 LED4#15.1 26.72,85.57 v1(26.72,85.28) ; v1(78.72,111.31) 78.72,111.6 LED4#33.1 79.58,113.9 C4#47.1 80.07,116.71 v1(79.97,116.81) ; C5#29.1 17.47,109.03 17.12,108.69 LED5#21.1 15.97,107.73 v1(15.97,106.53) 23.22,106.53 v1(23.72,107.03) ; C3#33.1 49.96,64.77 LED3#37.1 50.73,65.31 v1(51.22,65.81) ; LED6#23.1 88.13,160.14 C6#9.1 89.96,158.31 v1(91.22,158.31) ; C5#47.1 121.47,83.06 121.12,82.71 LED5#33.1 119.97,81.76 v1(119.97,80.56) 127.22,80.56 v1(127.72,81.06) ; v1(13.22,106.28) 11.96,106.28 C6#45.1 10.13,108.11 LED6#30.1 ; v1(27.97,142.78) 28.07,142.69 C4#10.1 27.58,139.88 LED4#39.1 26.72,137.57 v1(26.72,137.28) ; v1(103.22,39.81) 102.73,39.31 LED3#31.1 101.96,38.77 C3#15.1 ; LED7#9.1 12.98,66.22 C7#39.1 ; LED7#9.1 12.98,70.03 11.72,71.28 11.72,72.53 12.45,73.26 C2#6.1 13.64,73.69 LED2#11.1 ; C3#29.1 153.96,168.77 LED3#36.1 154.73,169.31 v1(155.22,169.81) ; LED6#10.1 88.13,82.14 C6#42.1 89.96,80.31 v1(91.22,80.31) ; LED6#33.1 62.13,56.14 C6#10.1 63.96,54.31 v1(65.22,54.31) ; v1(169.22,132.28) 167.96,132.28 C6#47.1 166.13,134.11 LED6#40.1 ; C5#26.1 17.47,57.03 17.12,56.69 LED5#47.1 15.97,55.73 v1(15.97,54.53) 23.22,54.53 v1(23.72,55.03) ; C5#40.1 43.47,57.06 43.12,56.71 LED5#39.1 41.97,55.76 v1(41.97,54.56) 49.22,54.56 v1(49.72,55.06) ; LED7#11.1 168.98,122.03 167.72,123.28 167.72,124.53 168.46,125.26 C2#11.1 169.65,125.69 LED2#27.1 ; LED7#27.1 168.98,96.03 167.72,97.28 167.72,98.53 168.46,99.26 C2#10.1 169.65,99.69 LED2#25.1 ; LED7#27.1 168.98,92.22 C7#16.1 ; C5#25.1 69.47,57.06 69.12,56.71 LED5#8.1 67.97,55.76 v1(67.97,54.56) 75.22,54.56 v1(75.72,55.06) ; v1(130.72,85.31) 130.72,85.6 LED4#4.1 131.58,87.9 C4#8.1 132.07,90.71 v1(131.97,90.81) ; C5#44.1 43.47,83.06 43.12,82.71 LED5#20.1 41.97,81.76 v1(41.97,80.56) 49.22,80.56 v1(49.72,81.06) ; C1#20.1 121.47,14.31 121.35,14.19 ; v1(101.72,107.06) 101.22,106.56 v1(93.97,106.56) 93.97,107.76 LED5#13.1 95.12,108.71 95.47,109.06 C5#15.1 ; v1(179.72,29.03) 179.22,28.53 v1(171.97,28.53) 171.97,29.73 LED5#37.1 173.12,30.69 173.47,31.03 C5#18.1 ; C3#37.1 153.96,116.77 LED3#10.1 154.73,117.31 v1(155.22,117.81) ; v1(53.97,168.81) 54.07,168.71 C4#13.1 53.58,165.9 LED4#2.1 52.72,163.6 v1(52.72,163.31) ; 121.35,40.19 121.35,38.69 v1(122.47,37.56) ; LED6#47.1 140.13,4.14 C6#5.1 141.96,2.31 v1(143.22,2.31) ; v1(101.72,3.06) 101.22,2.56 v1(93.97,2.56) 93.97,3.76 LED5#14.1 95.12,4.71 95.47,5.06 C5#10.1 ; LED7#20.1 14.21,93.53 15.22,93.53 15.03,93.33 LED1#28.1 16.38,91.19 17.35,92.16 ; LED7#20.1 12.98,96.03 11.72,97.28 11.72,98.53 12.45,99.26 C2#32.1 13.64,99.69 LED2#18.1 ; LED6#9.1 88.13,4.14 C6#17.1 89.96,2.31 v1(91.22,2.31) ; v1(49.72,133.06) 49.22,132.56 v1(41.97,132.56) 41.97,133.76 LED5#9.1 43.12,134.71 43.47,135.06 C5#38.1 ; v1(130.72,33.31) 130.72,33.6 LED4#8.1 131.58,35.9 C4#39.1 132.07,38.71 v1(131.97,38.81) ; C3#25.1 23.96,38.75 LED3#43.1 24.73,39.29 v1(25.22,39.78) ; v1(77.22,91.81) 76.73,91.31 LED3#3.1 75.96,90.77 C3#14.1 ; v1(143.22,132.31) 141.96,132.31 C6#2.1 140.13,134.14 LED6#12.1 ; 121.35,14.19 120.38,13.21 LED1#29.1 119.03,15.36 119.22,15.56 118.21,15.56 LED7#23.1 ; C5#45.1 95.47,83.06 95.12,82.71 LED5#15.1 93.97,81.76 v1(93.97,80.56) 101.22,80.56 v1(101.72,81.06) ; LED7#30.1 66.21,119.56 67.22,119.56 67.03,119.36 LED1#21.1 68.38,117.21 69.35,118.19 ; LED6#34.1 36.13,56.14 C6#13.1 37.96,54.31 v1(39.22,54.31) ; LED2#32.1 39.64,151.71 C2#24.1 38.45,151.29 37.72,150.56 37.72,149.31 38.98,148.05 LED7#37.1 ; C7#7.1 38.98,66.25 LED7.1 ; LED2#7.1 169.65,47.69 C2#19.1 168.46,47.26 167.72,46.53 167.72,45.28 168.98,44.03 LED7#39.1 ; v1(79.97,168.81) 80.07,168.71 C4#48.1 79.58,165.9 LED4#30.1 78.72,163.6 v1(78.72,163.31) ; v1(183.97,64.78) 184.07,64.69 C4#15.1 183.58,61.88 LED4#23.1 182.72,59.57 v1(182.72,59.28) ; v1(127.72,55.06) 127.22,54.56 v1(119.97,54.56) 119.97,55.76 LED5#23.1 121.12,56.71 121.47,57.06 C5#27.1 ; LED7#23.1 116.98,14.25 C7#33.1 ; C5#13.1 147.47,83.06 147.12,82.71 LED5#6.1 145.97,81.76 v1(145.97,80.56) 153.22,80.56 v1(153.72,81.06) ; 121.35,144.19 121.47,144.31 C1#21.1 ; 121.35,144.19 121.35,142.69 v1(122.47,141.56) ; 43.35,118.19 43.35,116.69 v1(44.47,115.56) ; 43.35,118.19 43.47,118.31 C1#15.1 ; v1(127.72,159.06) 127.22,158.56 v1(119.97,158.56) 119.97,159.76 LED5#44.1 121.12,160.71 121.47,161.06 C5#19.1 ; v1(49.72,3.06) 49.22,2.56 v1(41.97,2.56) 41.97,3.76 LED5.1 43.12,4.71 43.47,5.06 C5#17.1 ; 173.35,170.16 173.35,168.66 v1(174.47,167.53) ; 173.35,170.16 173.47,170.28 C1#24.1 ; C3#31.1 49.96,116.77 LED3#17.1 50.73,117.31 v1(51.22,117.81) ; v1(75.72,133.06) 75.22,132.56 v1(67.97,132.56) 67.97,133.76 LED5#25.1 69.12,134.71 69.47,135.06 C5#37.1 ; C1#22.1 69.47,118.31 69.35,118.19 ; C3#35.1 179.96,64.75 LED3#19.1 180.73,65.29 v1(181.22,65.78) ; v1(103.22,65.81) 102.73,65.31 LED3#2.1 101.96,64.77 C3#27.1 ; 43.35,170.19 43.35,168.69 v1(44.47,167.56) ; 43.35,170.19 42.38,169.21 LED1#41.1 41.03,171.36 41.22,171.56 40.21,171.56 LED7#25.1 ; 43.35,170.19 43.47,170.31 C1#34.1 ; v1(181.22,13.78) 180.73,13.29 LED3#40.1 179.96,12.75 C3#47.1 ; 17.35,92.16 17.47,92.28 C1#23.1 ; 17.35,92.16 17.35,90.66 v1(18.47,89.53) ; v1(117.22,106.31) 115.96,106.31 C6#36.1 114.13,108.14 LED6#32.1 ; v1(65.22,80.31) 63.96,80.31 C6#34.1 62.13,82.14 LED6#3.1 ; C1#27.1 69.47,144.31 69.35,144.19 ; LED6#49.1 10.13,30.11 C6#23.1 11.96,28.28 v1(13.22,28.28) ; v1(181.22,143.78) 180.73,143.29 LED3#49.1 179.96,142.75 C3#49.1 ; C7#37.1 12.98,14.22 LED7#2.1 ; v1(103.22,91.81) 102.73,91.31 LED3#5.1 101.96,90.77 C3#44.1 ; v1(13.22,54.28) 11.96,54.28 C6#6.1 10.13,56.11 LED6#4.1 ; v1(104.72,111.31) 104.72,111.6 LED4#34.1 105.58,113.9 C4.1 106.07,116.71 v1(105.97,116.81) ; LED6#25.1 166.13,56.11 C6#31.1 167.96,54.28 v1(169.22,54.28) ; v1(25.22,13.78) 24.73,13.29 LED3#9.1 23.96,12.75 C3#42.1 ; v1(183.97,90.78) 184.07,90.69 C4#38.1 183.58,87.88 LED4#40.1 182.72,85.57 v1(182.72,85.28) ; v1(39.22,80.31) 37.96,80.31 C6#24.1 36.13,82.14 LED6#35.1 ; C3#38.1 153.96,12.77 LED3#33.1 154.73,13.31 v1(155.22,13.81) ; v1(25.22,117.78) 24.73,117.29 LED3#4.1 23.96,116.75 C3#16.1 ; v1(131.97,116.81) 132.07,116.71 C4#36.1 131.58,113.9 LED4#5.1 130.72,111.6 v1(130.72,111.31) ; v1(77.22,13.81) 76.73,13.31 LED3#18.1 75.96,12.77 C3#12.1 ; LED6#38.1 62.13,4.14 C6#29.1 63.96,2.31 v1(65.22,2.31) ; LED7#6.1 64.98,92.25 C7#38.1 ; 147.35,118.19 147.35,116.69 v1(148.47,115.56) ; 147.35,118.19 147.47,118.31 C1#37.1 ; 69.35,144.19 69.35,142.69 v1(70.47,141.56) ; C5#46.1 17.47,31.03 17.12,30.69 LED5#18.1 15.97,29.73 v1(15.97,28.53) 23.22,28.53 v1(23.72,29.03) ; LED7#14.1 168.98,148.03 167.72,149.28 167.72,150.53 168.46,151.26 C2#49.1 169.65,151.69 LED2#4.1 ; C7#13.1 38.98,170.25 LED7#25.1 ; v1(183.97,142.78) 184.07,142.69 C4#49.1 183.58,139.88 LED4#19.1 182.72,137.57 v1(182.72,137.28) ; LED7#34.1 12.98,40.22 C7#29.1 ; LED7#34.1 12.98,44.03 11.72,45.28 11.72,46.53 12.45,47.26 C2#41.1 13.64,47.69 LED2#33.1 ; v1(157.97,38.81) 158.07,38.71 C4#44.1 157.58,35.9 LED4#22.1 156.72,33.6 v1(156.72,33.31) ; 17.35,144.16 17.47,144.28 C1.1 ; C3#13.1 153.96,38.77 LED3#41.1 154.73,39.31 v1(155.22,39.81) ; v1(52.72,85.31) 52.72,85.6 LED4#18.1 53.58,87.9 C4#28.1 54.07,90.71 v1(53.97,90.81) ; v1(182.72,7.28) 182.72,7.57 LED4#43.1 183.58,9.88 C4#5.1 184.07,12.69 v1(183.97,12.78) ; LED2#29.1 13.64,21.69 C2#15.1 12.45,21.26 11.72,20.53 11.72,19.28 12.98,18.03 LED7#2.1 ; LED7#25.1 38.98,174.05 37.72,175.31 37.72,176.56 38.45,177.29 C2#28.1 39.64,177.71 LED2#30.1 ; v1(143.22,80.31) 141.96,80.31 C6#39.1 140.13,82.14 LED6#22.1 ; v1(181.22,169.78) 180.73,169.29 LED3#21.1 179.96,168.75 C3#32.1 ; v1(52.72,7.31) 52.72,7.6 LED4#47.1 53.58,9.9 C4#45.1 54.07,12.71 v1(53.97,12.81) ; v1(26.72,111.28) 26.72,111.57 LED4#44.1 27.58,113.88 C4#23.1 28.07,116.69 v1(27.97,116.78) ; LED6#37.1 36.13,4.14 C6#8.1 37.96,2.31 v1(39.22,2.31) ; C5#48.1 121.47,135.06 121.12,134.71 LED5#26.1 119.97,133.76 v1(119.97,132.56) 127.22,132.56 v1(127.72,133.06) ; v1(179.72,159.03) 179.22,158.53 v1(171.97,158.53) 171.97,159.73 LED5#36.1 173.12,160.69 173.47,161.03 C5#49.1 ; C5#7.1 17.47,5.03 17.12,4.69 15.03,4.69 15.97,3.74 v1(15.97,2.53) 23.22,2.53 v1(23.72,3.03) ; v1(157.97,64.81) 158.07,64.71 C4#14.1 157.58,61.9 LED4#9.1 156.72,59.6 v1(156.72,59.31) ; v1(156.72,7.31) 156.72,7.6 LED4#14.1 157.58,9.9 C4#46.1 158.07,12.71 v1(157.97,12.81) ; C3#43.1 75.96,142.77 LED3#20.1 76.73,143.31 v1(77.22,143.81) ; v1(78.72,59.31) 78.72,59.6 LED4#45.1 79.58,61.9 C4#34.1 80.07,64.71 v1(79.97,64.81) ; LED7#36.1 168.98,14.22 C7#3.1 ; LED7#36.1 170.21,15.53 171.22,15.53 171.03,15.33 LED1#45.1 172.38,13.19 173.35,14.16 ; C1#33.1 173.47,14.28 173.35,14.16 ; v1(127.72,107.06) 127.22,106.56 v1(119.97,106.56) 119.97,107.76 LED5#27.1 121.12,108.71 121.47,109.06 C5#42.1 ; v1(105.97,168.81) 106.07,168.71 C4#7.1 105.58,165.9 LED4#38.1 104.72,163.6 v1(104.72,163.31) ; v1(13.22,80.28) 11.96,80.28 C6#4.1 10.13,82.11 LED6#31.1 ; v1(130.72,137.31) 130.72,137.6 LED4.1 131.58,139.9 C4#26.1 132.07,142.71 v1(131.97,142.81) ; 173.35,14.16 173.35,12.66 v1(174.47,11.53) ; v1(103.22,143.81) 102.73,143.31 LED3#32.1 101.96,142.77 C3#22.1 ; v1(153.72,3.06) 153.22,2.56 v1(145.97,2.56) 145.97,3.76 LED5#7.1 147.12,4.71 147.47,5.06 C5#16.1 ; v1(153.72,107.06) 153.22,106.56 v1(145.97,106.56) 145.97,107.76 LED5#10.1 147.12,108.71 147.47,109.06 C5#33.1 ; v1(157.97,168.81) 158.07,168.71 C4#3.1 157.58,165.9 LED4#28.1 156.72,163.6 v1(156.72,163.31) ; v1(105.97,64.81) 106.07,64.71 C4#6.1 105.58,61.9 LED4#32.1 104.72,59.6 v1(104.72,59.31) ; v1(157.97,90.81) 158.07,90.71 C4#25.1 157.58,87.9 LED4#13.1 156.72,85.6 v1(156.72,85.31) ; v1(183.97,168.78) 184.07,168.69 C4#21.1 183.58,165.88 LED4#7.1 182.72,163.57 v1(182.72,163.28) ; v1(26.72,7.28) 26.72,7.57 LED4#49.1 27.58,9.88 C4#37.1 28.07,12.69 v1(27.97,12.78) ; v1(153.72,159.06) 153.22,158.56 v1(145.97,158.56) 145.97,159.76 LED5#35.1 147.12,160.71 147.47,161.06 C5#32.1 ; C3#46.1 179.96,38.75 LED3#34.1 180.73,39.29 v1(181.22,39.78) ; C5#2.1 69.47,31.06 69.12,30.71 LED5#49.1 67.97,29.76 v1(67.97,28.56) 75.22,28.56 v1(75.72,29.06) ; LED6#26.1 166.13,4.11 C6#25.1 167.96,2.28 v1(169.22,2.28) ; v1(25.22,65.78) 24.73,65.29 LED3#47.1 23.96,64.75 C3#6.1 ; C5#8.1 17.47,161.03 17.12,160.69 LED5#43.1 15.97,159.73 v1(15.97,158.53) 23.22,158.53 v1(23.72,159.03)